# Allegro board Mic_Array_main_250pcs_release.brd
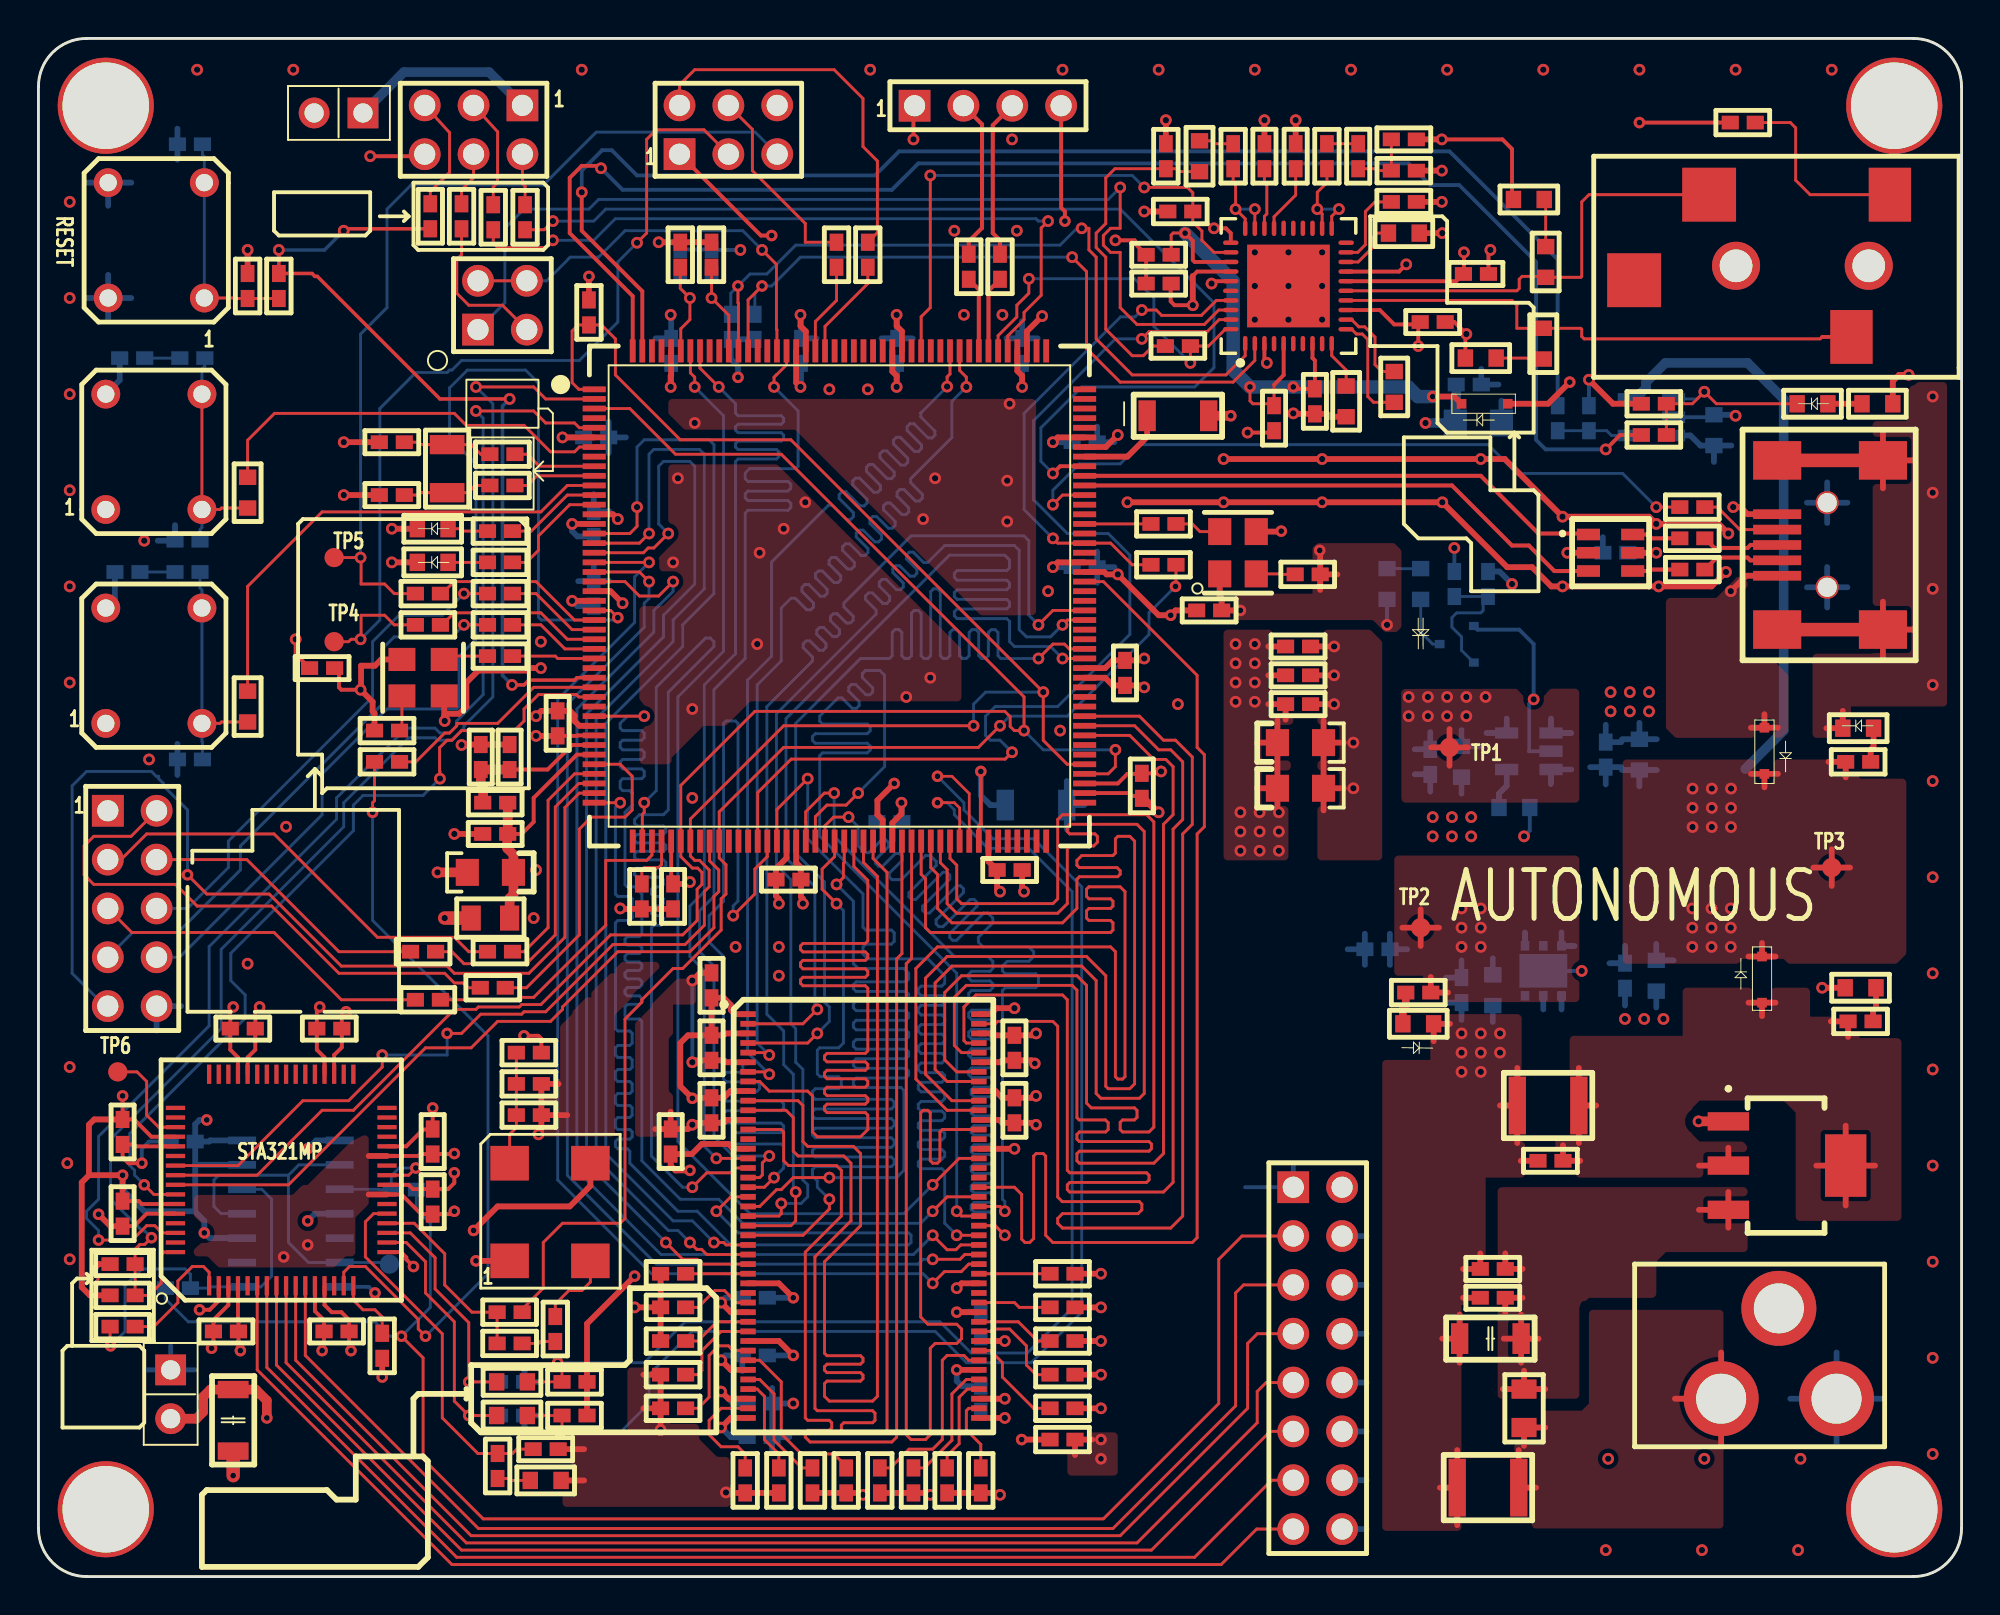
[diagram p0: board, top side]
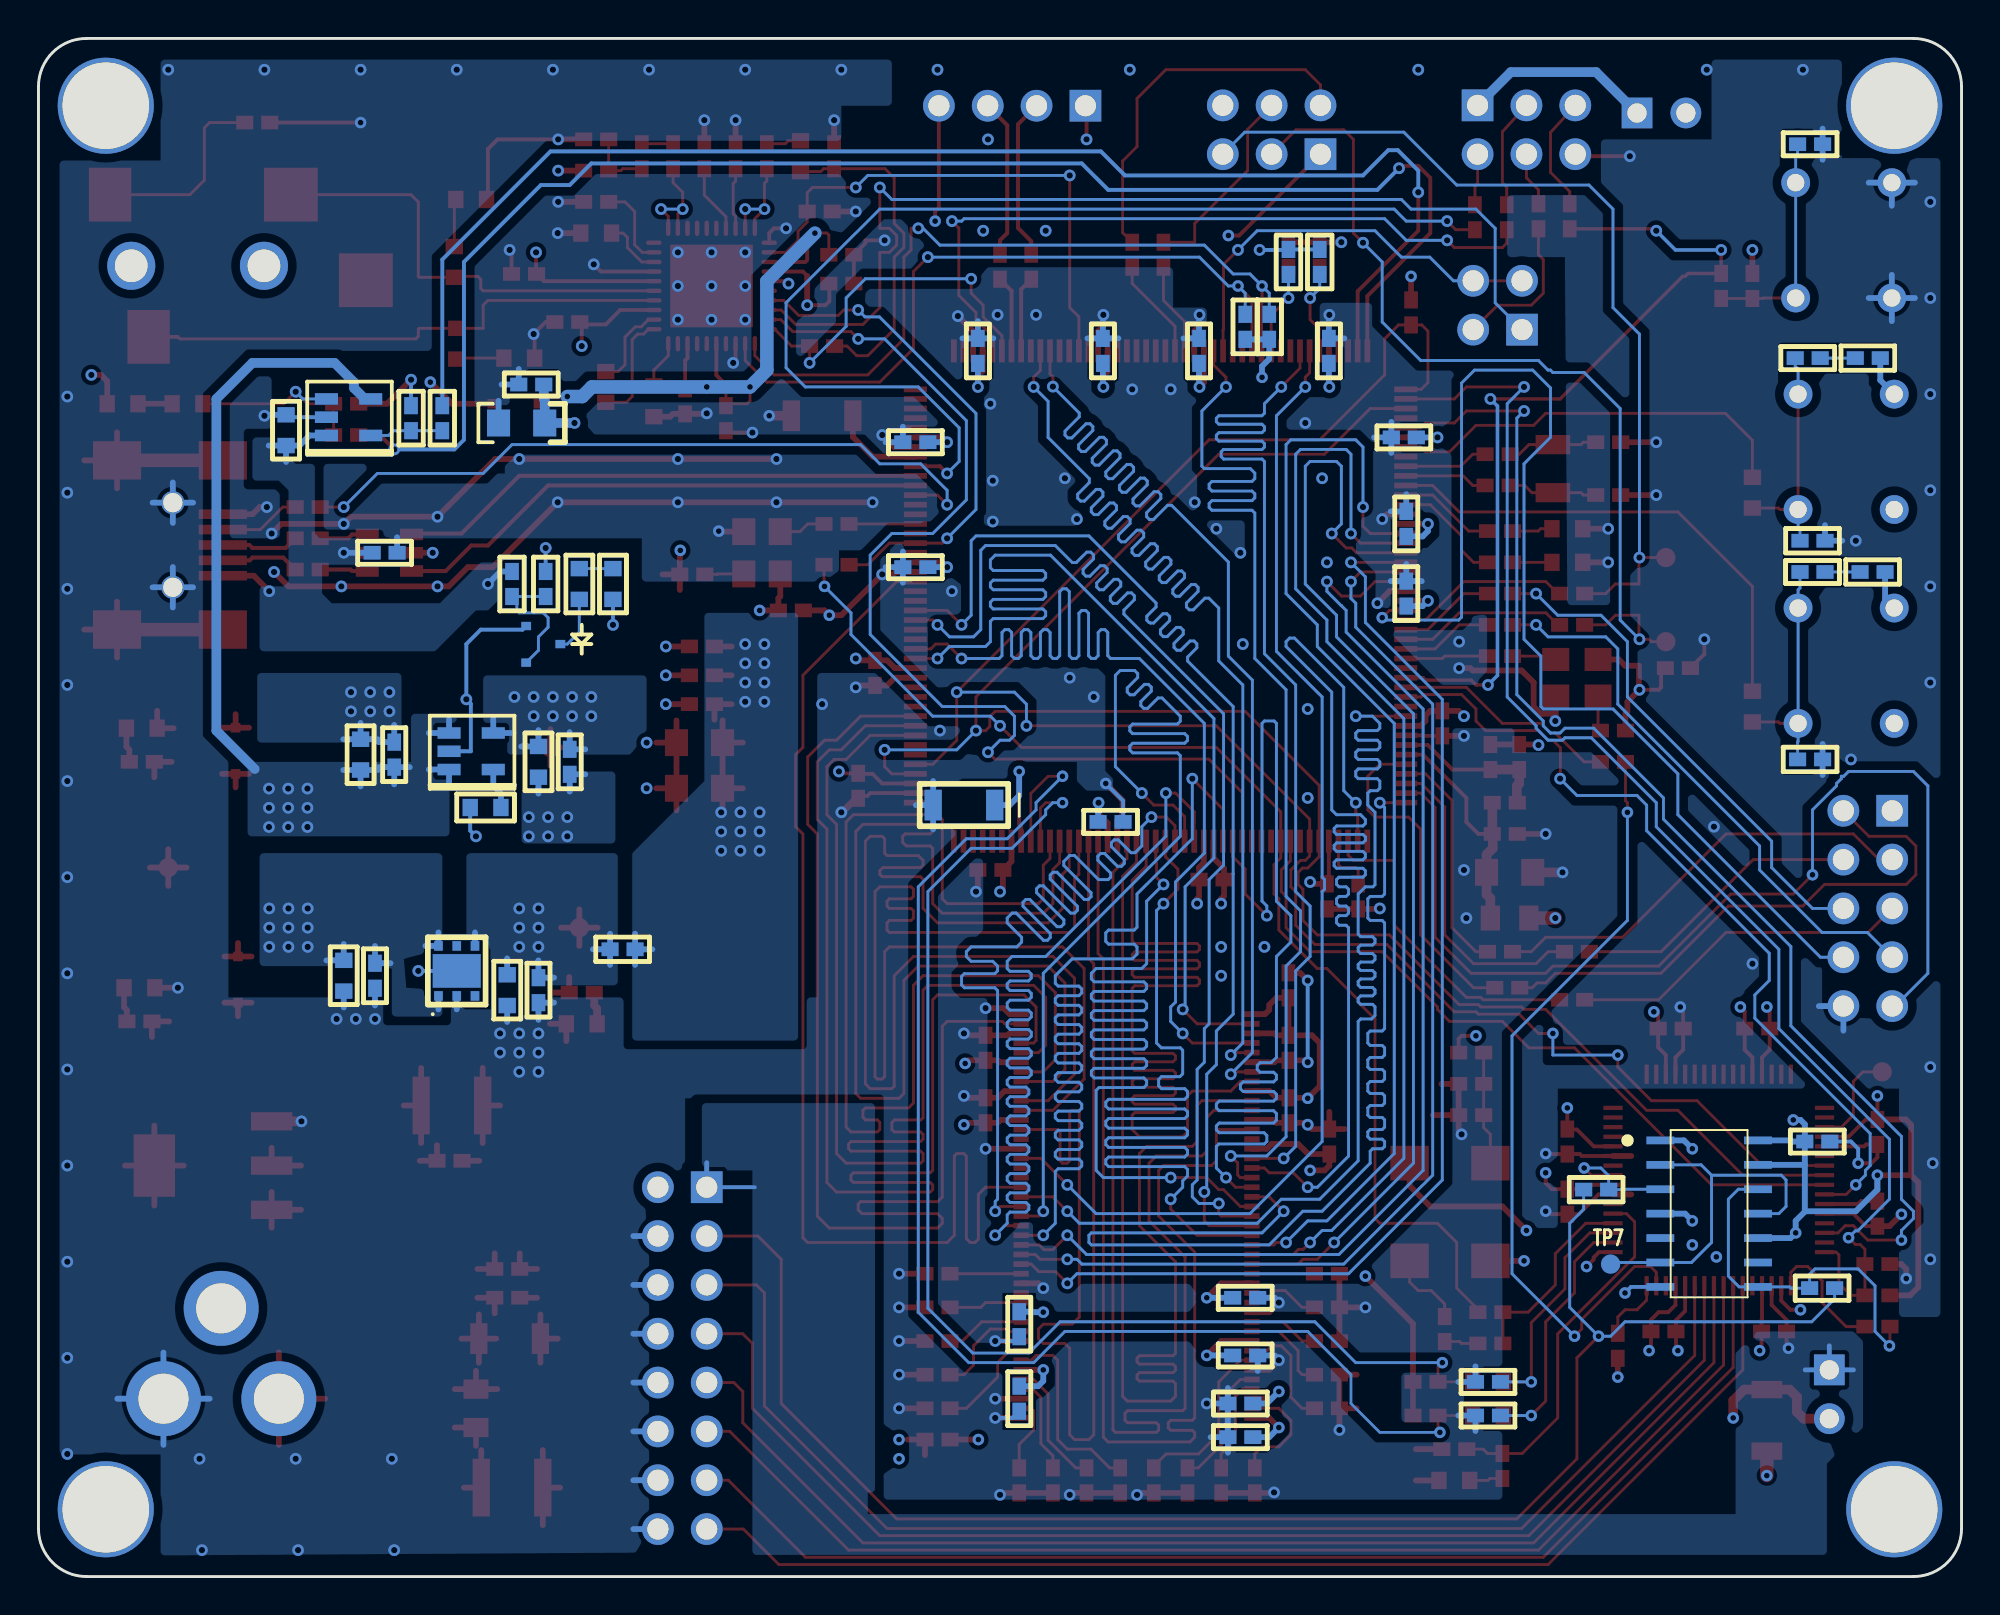
[diagram p1: board, bottom side, seen from below]

Outline 100 x 80 mm; copper layers: TOP, INT_LAYER2, INT_LAYER3, BOTTOM. Coordinates in mm from the lower left corner of the outline.

## Design rules (mm)
net group PWR_SIGNAL: nets VDDA VREF
net group SDRAM_ADDRESS: nets FMC_A10 FMC_SDCLK
net group UART_DIFF: nets UART4_RX UART4_TX
net group USB_DIFF: nets USB_FS1_N USB_FS1_P
net group USB_OTG_FS: nets USB_OTG_FS_DM USB_OTG_FS_DP
net group SDRAM_DATA: nets FMC_D0 FMC_D1 FMC_D2 FMC_D3 FMC_D4 FMC_D5 FMC_D6 FMC_D7 FMC_D8 FMC_D9 FMC_D10 FMC_D11 FMC_D12 FMC_D13 FMC_D14 FMC_D15
nets with their own width: min track width 0.14; nets OSC25M OSC32_IN OSC32_OUT
nets with their own width: min track width 0.18; nets NRST
nets with their own width: nets OTG_FS_OVERCURRENT OTG_FS_POWERSWITCHON

## Placement (name value [footprint] x y rotation side)
C1  100nF_0402  [CAP_SMD_0402]  7.75 52.25 0 bottom
C2  10pF_0603  [CAP_SMD_0402]  24.62 10.12 0 bottom
C3  10pF_0603  [CAP_SMD_0402]  24.62 8.38 180 bottom
C4  100nF_0402  [CAP_SMD_0402]  8 63.38 0 bottom
C5  100nF_0402  [CAP_SMD_0402]  7.88 74.5 180 bottom
C7  1uF_0603  [CAP_SMD_0603]  83.25 42.75 90 bottom
C8  1uF_0603  [CAP_SMD_0603]  74 42.38 270 bottom
C9  100nF_0402  [CAP_SMD_0402]  81.5 42.75 90 bottom
C10  10nF_0603  [CAP_SMD_0603]  76.75 40 0 bottom
C11  100nF_0402  [CAP_SMD_0402]  72.38 42.38 270 bottom
C12  1uF_0603  [CAP_SMD_0603]  84.12 31.25 270 bottom
C13  100nF_0402  [CAP_SMD_0402]  74 30.5 270 bottom
C14  4.7uF_0603  [CAP_SMD_0603]  87.12 59.62 90 bottom
C15  100nF_0402  [CAP_SMD_0402]  82.5 31.25 270 bottom
C16  1uF_0603  [CAP_SMD_0603]  75.62 30.5 270 bottom
C17  100nF_0402  [CAP_SMD_0402]  82 53.25 0 bottom
C18  330uF_1210  [CAP_SMD_1210]  75.38 4.62 180 top
C19  150uF_1206  [CAP_SMD_1206]  75.5 12.38 180 top
C20  0.1uF_0402  [CAP_SMD_0402]  75.62 16 180 top
C21  10uF_0402  [CAP_SMD_0402]  75.62 14.5 180 top
C22  0.1uF_0402  [CAP_SMD_0402]  78.62 21.62 180 top
C23  22uF_1210  [CAP_SMD_1210]  78.5 24.5 180 top
C24  4.7pF 0402  [CAP_SMD_0402]  18.38 59 0 top
C25  4.7pF 0402  [CAP_SMD_0402]  18.38 56.25 0 top
C26  100nF_0402  [CAP_SMD_0402]  14.75 47.25 0 top
C27  100nF_0402  [CAP_SMD_0402]  65.5 46.88 0 top
C28  100nF_0402  [CAP_SMD_0402]  65.5 48.38 0 top
C29  100nF_0402  [CAP_SMD_0402]  65.5 45.38 0 top
C30  100nF_0402  [CAP_SMD_0402]  44.25 39.25 180 bottom
C31  100nF_0402  [CAP_SMD_0402]  32.9 63.75 90 bottom
C32  100nF_0402  [CAP_SMD_0402]  39.65 63.75 90 bottom
C33  100nF_0402  [CAP_SMD_0402]  28.88 54.75 90 bottom
C34  100nF_0402  [CAP_SMD_0402]  27 44.38 270 top
C35  100nF_0402  [CAP_SMD_0402]  28.88 51.12 90 bottom
C36  100nF_0402  [CAP_SMD_0402]  29 59.25 0 bottom
C37  100nF_0402  [CAP_SMD_0402]  44.65 63.75 90 bottom
C38  100nF_0402  [CAP_SMD_0402]  39 36.25 180 top
C39  100nF_0402  [CAP_SMD_0402]  50.5 36.75 0 top
C40  100nF_0402  [CAP_SMD_0402]  51.15 63.75 90 bottom
C41  100nF_0402  [CAP_SMD_0402]  33 35.38 270 top
C42  100nF_0402  [CAP_SMD_0402]  57.38 41.12 270 top
C43  100nF_0402  [CAP_SMD_0402]  56.5 47 270 top
C44  100nF_0402  [CAP_SMD_0402]  54.4 52.5 0 bottom
C45  100nF_0402  [CAP_SMD_0402]  54.4 59 0 bottom
C46  2.2uF  [CAP_SMD_1206]  59.25 60.38 0 top
C47  2.2uF  [CAP_SMD_1206]  51.88 40.12 180 bottom
C48  4.7uF  [CAP_SMD_1206_TANTALUM]  65.62 43.38 0 top
C49  4.7uF  [CAP_SMD_1206_TANTALUM]  65.62 41 0 top
C50  1uF  [CAP_SMD_1206_TANTALUM]  23.5 36.62 180 top
C51  100nF_0402  [CAP_SMD_0402]  23.75 38.62 0 top
C52  100nF_0402  [CAP_SMD_0402]  24.5 42.62 90 top
C53  100nF_0402  [CAP_SMD_0402]  23 42.62 90 top
C54  0.022uF_0603  [CAP_SMD_0603]  78.25 64.12 90 top
C55  0.022uF_0603  [CAP_SMD_0603]  78.38 68.38 270 top
C56  0.1uF_0402  [CAP_SMD_0402]  64.25 60.25 90 top
C57  0.1uF_0402  [CAP_SMD_0402]  66.38 61.12 90 top
C58  1uF_0603  [CAP_SMD_0603]  68 61.12 270 top
C59  1uF_0603  [CAP_SMD_0603]  70.5 61.88 90 top
C60  1uF_0603  [CAP_SMD_0603]  60.38 73.88 270 top
C61  10nF_ 0402  [CAP_SMD_0402]  71 74.75 180 top
C62  0.1uF_0402  [CAP_SMD_0402]  58.25 67.25 180 top
C63  0.1uF_0402  [CAP_SMD_0402]  74.75 67.75 0 top
C64  1uF_typeA  [CAP_SMD_1206_TANTALUM]  74.88 60 0 bottom
C65  0.1uF_0402  [CAP_SMD_0402]  72.5 65.25 0 top
C66  0.1uF_0402  [CAP_SMD_0402]  74.38 62 0 bottom
C67  0.1uF_0402  [CAP_SMD_0402]  68.62 73.88 270 top
C68  0.1uF_0402  [CAP_SMD_0402]  58.25 68.75 180 top
C69  100nF_0402  [CAP_SMD_0402]  35 27.5 90 top
C70  100nF_0402  [CAP_SMD_0402]  37.5 7.25 180 bottom
C71  100nF_0402  [CAP_SMD_0402]  37.5 9 180 bottom
C72  1uF_0603  [CAP_SMD_0603]  71 69.88 0 top
C73  150pF_0402  [CAP_SMD_0402]  65.38 73.88 90 top
C74  150pF_0402  [CAP_SMD_0402]  63.75 73.88 90 top
C75  1uF_0402  [CAP_SMD_0402]  71 71.5 0 top
C76  100nF_0402  [CAP_SMD_0402]  37.25 11.5 0 bottom
C77  100nF_0402  [CAP_SMD_0402]  37.25 14.5 0 bottom
C78  100nF_0402  [CAP_SMD_0402]  49 9.25 90 bottom
C79  100nF_0402  [CAP_SMD_0402]  49 13.12 90 bottom
C80  100nF_0402  [CAP_SMD_0402]  35 30.75 270 top
C81  100nF_0402  [CAP_SMD_0402]  50.75 27.5 270 top
C82  100nF_0402  [CAP_SMD_0402]  35 24.25 90 top
C83  100nF_0402  [CAP_SMD_0402]  32.88 22.62 270 top
C84  100nF_0402  [CAP_SMD_0402]  50.75 24.25 270 top
C85  100nF_0402  [CAP_SMD_0402]  9.75 12.75 0 top
C86  100nF_0402  [CAP_SMD_0402]  15.12 28.5 0 top
C87  100nF_0402  [CAP_SMD_0402]  20.5 19.5 90 top
C88  100nF_0402  [CAP_SMD_0402]  20.5 22.62 90 top
C89  1nF_0402  [CAP_SMD_0402]  4.38 16.25 180 top
C90  100nF_0402  [CAP_SMD_0402]  10.62 28.5 0 top
C91  100nF_0402  [CAP_SMD_0402]  4.38 23.12 90 top
C92  100nF_0402  [CAP_SMD_0402]  4.38 18.88 90 top
C93  100nF_0402  [CAP_SMD_0402]  15.5 12.75 0 top
C100  10uF_6.3V_1206  [CAP_SMD_1206]  10.12 8.12 270 top
C101  0.01uF_0603  [CAP_SMD_0402]  60.88 50.25 0 top
C102  100nF_0402  [CAP_SMD_0402]  7.5 22.62 0 bottom
C103  100nF_0402  [CAP_SMD_0402]  26.38 6.62 180 top
C104  1nF_0603  [CAP_SMD_0603]  26.38 5 180 top
CN1  JACK 3.5MM  [AUDIO_JACK_35]  86.88 71.88 180 top
D1  LED,red  [LED_SMD_0603]  92.25 61 0 top
D2  LED, green  [LED_SMD_0603]  71.75 28.75 180 top
D3  LED, green  [LED_SMD_0603]  94.75 30.62 0 top
D4  BAT60JFILM  [DIOD_SOD323]  89.75 41.75 90 top
D5  LED, green  [LED_SMD_0603]  71.88 51.62 90 bottom
D6  LED, green  [LED_SMD_0603]  94.62 44.12 0 top
D7  BAT60JFILM  [DIOD_SOD323]  89.62 32.25 270 top
D8  LED, green  [LED_SMD_0603]  20.5 54.5 0 top
D9  LED, green  [LED_SMD_0603]  20.5 52.75 0 top
D10  BAT60JFILM  [DIOD_SOD323]  74 61 0 top
J1  CONN_10POS  [10PINDUALMALEHEADER]  3.6 39.83 270 top
J2  HEADER 6  [6PINDUALMALEHEADER]  25.16 76.52 180 top
J3  CONN_4POS  [4PINFEMALEHEADER]  45.56 76.5 0 top
J5  HEADER 6  [6PINDUALMALEHEADER]  33.34 73.98 0 top
J6  IDC_16_2.54mm  [16PINDUALMALEHEADER]  65.25 20.25 270 top
JP1  JUMPER  [J1_2_254]  6.88 10.75 270 top
JP2  JUMPER2  [4PINDUALMALEHEADER]  22.86 64.86 0 top
JP3  JUMPER_2  [J1_2_254]  16.88 76.12 180 top
L1  1uH  [IN_SMD_0805_2]  77.25 8.75 90 top
L2  FCM1608KF-601T03  [IN_SMD_0805_2]  23.5 34.25 0 top
NOREF  -  []  1 66.55 0 top
NOREF#2  -  [unnamed#2]  0 0 0 top
NOREF#3  -  []  54.65 38 90 top
NOREF#4  -  []  85.28 0 90 top
Q1  9013-SOT23  [SOT23]  73.75 48.5 180 bottom
R1  22_0402  [RES_SMD_0402]  25.3 70.7 270 top
R2  22_0402  [RES_SMD_0402]  23.65 70.7 270 top
R3  100_0402  [RES_SMD_0402]  4.62 52.25 180 bottom
R4  22_0402  [RES_SMD_0402]  22 70.75 270 top
R5  22_0402  [RES_SMD_0402]  20.38 70.75 270 top
R7  330_0603  [RES_SMD_0603]  10.88 45.25 270 top
R8  100_0402  [RES_SMD_0402]  50 68.12 90 top
R9  220K_0402  [RES_SMD_0402]  7.88 42.5 180 bottom
R10  100_0402  [RES_SMD_0402]  48.38 68.12 90 top
R11  100_0402  [RES_SMD_0402]  4.88 63.38 180 bottom
R12  100_0603  [RES_SMD_0603]  24.62 10.12 180 top
R13  100_0603  [RES_SMD_0603]  24.62 8.38 0 top
R14  100K_0402  [RES_SMD_0402]  10.88 67.12 270 top
R16  0_0402  [RES_SMD_0402]  12.5 67.12 270 top
R18  330_0603  [RES_SMD_0603]  10.88 56.38 270 top
R19  220K_0402  [RES_SMD_0402]  7.75 53.88 180 bottom
R20  620_0603  [RES_SMD_0603]  95.62 61 180 top
R21  47K_0402  [RES_SMD_0402]  84 61 0 top
R22  10K_0402  [RES_SMD_0402]  80.62 60.25 270 bottom
R23  0_0402  [RES_SMD_0402]  84 59.38 180 top
R24  1K_0402  [RES_SMD_0402]  71.75 30.38 0 top
R25  0_0402  [RES_SMD_0402]  79 60.25 270 bottom
R26  22_0402  [RES_SMD_0402]  86 52.38 180 top
R27  22_0402  [RES_SMD_0402]  86 54 180 top
R28  0_0402  [RES_SMD_0402]  86 55.62 180 top
R29  1K_0402  [RES_SMD_0402]  94.75 28.88 180 top
R30  47K_0402  [RES_SMD_0402]  75.38 51.62 270 bottom
R31  330 _0603  [RES_SMD_0603]  70.12 51.62 90 bottom
R32  1K_0402  [RES_SMD_0402]  94.62 42.38 180 top
R33  100K_0402  [RES_SMD_0402]  73.62 51.62 270 bottom
R34  0  [RES_SMD_0402]  24.12 58.38 0 top
R35  0  [RES_SMD_0402]  24.12 56.75 0 top
R36  10K_0402  [RES_SMD_0402]  18.12 44 0 top
R37  0  [RES_SMD_0402]  23.62 30.62 0 top
R40  0  [RES_SMD_0402]  24 32.5 0 top
R41  0  [RES_SMD_0402]  20 32.5 0 top
R43  0  [RES_SMD_0402]  20.25 30 0 top
R44  100  [RES_SMD_0402]  43.12 68.75 90 top
R46  100  [RES_SMD_0402]  41.5 68.75 90 top
R49  100_0402  [RES_SMD_0402]  24 47.88 0 top
R52  10K_ 0402  [RES_SMD_0402]  35 68.75 90 top
R53  N.A  [RES_SMD_0402]  35 68.38 90 bottom
R54  100_0402  [RES_SMD_0402]  20.25 51.12 180 top
R55  10K_0402  [RES_SMD_0402]  31.38 35.38 270 top
R56  100_0402  [RES_SMD_0402]  20.25 49.5 180 top
R57  NA  [RES_SMD_0402]  33.38 68.75 90 top
R59  10K_0402  [RES_SMD_0402]  33.38 68.38 90 bottom
R61  0  [RES_SMD_0402]  24 51.12 180 top
R63  0  [RES_SMD_0402]  24 49.5 180 top
R64  1K  [RES_SMD_0402]  24 54.38 0 top
R65  1K  [RES_SMD_0402]  24 52.75 0 top
R66  0  [RES_SMD_0402]  69.62 32.62 0 bottom
R67  0  [RES_SMD_0402]  23.75 40.25 0 top
R68  100K_0402  [RES_SMD_0402]  53.25 14 180 top
R69  10K_0402  [RES_SMD_0402]  53.25 12.25 180 top
R70  10K_0402  [RES_SMD_0402]  53.25 10.5 180 top
R71  10K_0402  [RES_SMD_0402]  53.25 8.75 180 top
R72  10K_0402  [RES_SMD_0402]  43.75 5 90 top
R73  10K_0402  [RES_SMD_0402]  45.5 5 90 top
R74  10K_0402  [RES_SMD_0402]  47.25 5 90 top
R75  51_0603  [RES_SMD_0603]  75 63.38 0 top
R76  51_0603  [RES_SMD_0603]  77.5 71.62 0 top
R77  10K_0402  [RES_SMD_0402]  49 5 90 top
R78  10K_0402  [RES_SMD_0402]  36.75 5 90 top
R79  10K_0402  [RES_SMD_0402]  38.5 5 90 top
R80  10K_0402  [RES_SMD_0402]  40.25 5 90 top
R81  10K_0402  [RES_SMD_0402]  42 5 90 top
R82  10K_0402  [RES_SMD_0402]  33 8.75 0 top
R83  10K_0402  [RES_SMD_0402]  33 10.5 0 top
R84  0_0402  [RES_SMD_0402]  88.62 75.62 0 top
R85  10K_0402  [RES_SMD_0402]  33 12.25 0 top
R86  10K_0402  [RES_SMD_0402]  33 14 0 top
R87  10K_0402  [RES_SMD_0402]  59.38 71 0 top
R88  100_0402  [RES_SMD_0402]  62.12 73.88 90 top
R89  0_0402  [RES_SMD_0402]  59.25 64 0 top
R90  100K_0402  [RES_SMD_0402]  53.25 15.75 0 top
R91  100K_0402  [RES_SMD_0402]  33 15.75 180 top
R92  100K_0402  [RES_SMD_0402]  58.62 73.88 90 top
R93  100K_0402  [RES_SMD_0402]  71 73.12 0 top
R94  100K_0402  [RES_SMD_0402]  67 73.88 90 top
R95  N.A 0  [RES_SMD_0402]  58.5 52.62 0 top
R96  10K_0402  [RES_SMD_0402]  4.38 14.62 0 top
R97  2K7_0402  [RES_SMD_0402]  37.25 65 270 bottom
R98  2K7_0402  [RES_SMD_0402]  36 65 270 bottom
R99  10K_0402  [RES_SMD_0402]  25.5 24 180 top
R100  100_0402  [RES_SMD_0402]  26.88 12.88 270 top
R101  0R0_0402(N.A)  [RES_SMD_0402]  25.5 27.25 0 top
R102  0R0_0402  [RES_SMD_0402]  25.5 25.62 0 top
R103  0R0_0402(NA)  [RES_SMD_0402]  24.5 12.12 0 top
R104  0R0_0402  [RES_SMD_0402]  24.5 13.75 0 top
R105  0R0_0402(NA)  [RES_SMD_0402]  4.38 13 180 top
R106  0R0_0402(NA)  [RES_SMD_0402]  7.25 15 180 bottom
R107  0R0_0402  [RES_SMD_0402]  19 20.12 0 bottom
R110  0_0603  [RES_SMD_0402]  53.25 7.12 0 top
R111  10K_0402  [RES_SMD_0402]  66 52.12 180 top
R112  3K3_0402  [RES_SMD_0402]  23.88 5.75 90 top
R114  0R0_0402  [RES_SMD_0402]  17.88 12 90 top
R115  100_0402  [RES_SMD_0402]  58.5 54.75 180 top
R116  2K7_0402  [RES_SMD_0402]  27.88 10.12 0 top
R117  2K7_0402  [RES_SMD_0402]  27.88 8.38 0 top
R118  0  [RES_SMD_0402]  18.12 42.38 180 top
R119  10k_0402(NA)  [RES_SMD_0402]  28.62 65.75 270 top
SW1  SW-BLACK  [PUSHBUTTON_4_09]  6 47.38 90 top
SW2  SW-BLACK  [PUSHBUTTON_4_09]  6 58.5 90 top
SW3  SW-BLACK  [PUSHBUTTON_4_09]  6.12 69.5 270 top
TP1  TEST POINT  [TEST_PAD1]  73.38 43.12 0 top
TP2  TEST POINT  [TEST_PAD1]  71.88 33.75 0 top
TP3  TEST POINT  [TEST_PAD1]  93.25 36.88 0 top
TP4  TEST POINT  [TEST_PAD1]  15.38 48.62 0 top
TP5  TEST POINT  [TEST_PAD1]  15.38 53 0 top
TP6  TEST POINT  [TEST_PAD1]  4.12 26.25 0 top
TP7  TEST POINT  [TEST_PAD1]  18.25 16.25 180 bottom
U1  LD3985M25R  [SOT235L]  77.5 42.88 90 bottom
U2  LD39050PU33R  [DFN6_6_3X3]  78.25 31.5 180 bottom
U4  Mini USB Type B  [MINI_USB]  93.01 53.65 90 top
U5  USBLC6-2  [SOT23_6L]  81.75 53.25 270 top
U6  PJ-202A  [DC-JACK]  87.5 9.25 270 top
U7  LT1117IST-5PBF  [SOT_223]  90.88 21.38 270 top
U8  STM32F746IGT6  [LQFP_176_24X24]  41.65 51 0 top
U9  CS43L22  [QFN_40_6X6]  65 67.12 90 top
U10  MT48LC4M32B2  [TSOPII_86_22X12]  42.9 18.75 0 top
U11  STMPS2141STR  [SOT235L]  83.88 60.25 90 bottom
U12  STA321MPL  [STA321]  8.88 15.62 0 top
U14  -  [74VHC74]  13.12 18.88 180 bottom
X1  NX3215SA-32.768K  [XTAL_32MHZ]  21.25 57.62 90 top
X2  OSC MEMS 25Mhz CMOS SMD  [OSC14REC12]  20 46.75 0 top
X3  OSC 12.2888MHZ  [OSC14REC12]  62.38 53.25 90 top
X4  OSC 12.2888MHZ  [OSC112896]  24.5 21.5 270 top

## Library data of the parts
C1-C5 C7-C17 C20-C47 C51-C53 C85-C93 C101-C104 = CAPACITOR NON-POL
C18 C19 = C
C48-C50 C64 C100 = CAPACITOR POL_0
C54-C63 C65-C84 = CAP NP
CN1 = ST-225-02_3
D1-D3 D5 D6 D8 D9 = LED
D4 D7 D10 = DIODE
J1 = HEADER 5X2
J2 J5 = HEADER 6_0
J3 = 4 HEADER
J6 = CON16A
JP1 JP3 = JUMPER_2
JP2 = JUMPER2
L1 = INDUCTOR
L2 = L
Q1 = PN2222
R1-R5 R7-R11 R14 R16 R18-R37 R40 R41 R43 R44 R46 R49 R53-R57 R59 R61 R63-R74 R77-R83 R85 R86 R90 R91 R95 R97 R98 R110 R111 R115-R119 = R2
R12 R13 R75 R76 R84 R87-R89 R92-R94 R96 R99-R107 R112 R114 = R
R52 = R2_0
SW1 = SW PUSHBUTTON-SPST-2/SM_1
SW2 = SW PUSHBUTTON-SPST-2/SM_2
SW3 = SW PUSHBUTTON-SPST-2/SM_0
TP1-TP7 = TEST POINT
U1 = LD3985M33R_2
U2 = LD39050PU33R_1
U4 = USB_7
U5 = USBLC6-2_4
U6 = DC JACK: User Part Number: ***
U7 = LT1117IST-5PBF_1
U8 = STM32F746xxx_15
U9 = 40L QFN_2
U10 = SDRAM-MT48LC4M32B2_0
U11 = STMPS2141STR_2
U12 = STA321MPL_0
U14 = 7474_0
X1 = QZS32768
X2 X3 = OSC4/SM_2
X4 = XTAL_0

## Footprints (pads in the part's own frame, mm; a bottom-side part is the same pattern mirrored in y, then rotated)
4PINDUALMALEHEADER
  rect 1.65x1.65 hole 1.1: 1(0,0)
  round 1.65 hole 1.1: 2(0,2.54) 3(2.54,0) 4(2.54,2.54)
4PINFEMALEHEADER
  rect 1.65x1.65 hole 1.1: 1(0,0)
  round 1.65 hole 1.1: 2(2.54,0) 3(5.08,0) 4(7.62,0)
6PINDUALMALEHEADER
  rect 1.65x1.65 hole 1.1: 1(0,0)
  round 1.65 hole 1.1: 2(0,2.54) 3(2.54,0) 4(2.54,2.54) 5(5.08,0) 6(5.08,2.54)
10PINDUALMALEHEADER
  rect 1.65x1.65 hole 1.1: 1(0,0)
  round 1.65 hole 1.1: 2(0,2.54) 3(2.54,0) 4(2.54,2.54) 5(5.08,0) 6(5.08,2.54) 7(7.62,0) 8(7.62,2.54) 9(10.16,0) 10(10.16,2.54)
16PINDUALMALEHEADER
  rect 1.65x1.65 hole 1.1: 1(0,0)
  round 1.65 hole 1.1: 2(0,2.54) 3(2.54,0) 4(2.54,2.54) 5(5.08,0) 6(5.08,2.54) 7(7.62,0) 8(7.62,2.54) 9(10.16,0) 10(10.16,2.54) 11(12.7,0) 12(12.7,2.54) 13(15.24,0) 14(15.24,2.54) 15(17.78,0) 16(17.78,2.54)
74VHC74
  rect 1.45x0.4 smd: 1(-2.54,3.81) 2(-2.54,2.54) 3(-2.54,1.27) 4(-2.54,0) 5(-2.54,-1.27) 6(-2.54,-2.54) 7(-2.54,-3.81) 8(2.54,-3.81) 9(2.54,-2.54) 10(2.54,-1.27) 11(2.54,0) 12(2.54,1.27) 13(2.54,2.54) 14(2.54,3.81)
AUDIO_JACK_35
  round 2.5 hole 1.7 unplated: (-8.3,3.7) (-1.4,3.7)
  rect 2.2x2.8 smd: 1(-9.4,0) 3(-7.4,7.4)
  rect 2.8x2.8 smd: 2(0,0) 4(3.9,4.45)
CAP_SMD_0402
  rect 0.889x0.711 smd: 1(-0.65,0) 2(0.65,0)
CAP_SMD_0603
  rect 0.8x0.9 smd: 1(-0.8,0) 2(0.8,0)
CAP_SMD_1206
  rect 0.9x1.6 smd: 1(-1.6,0) 2(1.6,0)
CAP_SMD_1206_TANTALUM
  rect 1.2x1.4 smd: 1(-1.2,0) 2(1.2,0)
CAP_SMD_1210
  rect 0.9x3 smd: 1(-1.6,0) 2(1.6,0)
DC-JACK
  round 3.9 hole 2.6: 1(0,0) 2(0,6) 3(-4.7,3)
DFN6_6_3X3
  rect 0.45x0.5 smd: 1(-0.95,-1.3) 2(0,-1.3) 3(0.95,-1.3) 4(0.95,1.3) 5(0,1.3) 6(-0.95,1.3)
  rect 2.5x1.75 smd: 7(0,0)
DIOD_SOD323
  rect 0.5x0.5 smd: 1(0,0) 2(2.4,0)
IN_SMD_0805_2
  rect 1x1.3 smd: 1(-1,0) 2(1,0)
J1_2_254
  rect 1.6x1.6 hole 1: 1(0,0)
  round 1.6 hole 1: 2(2.54,0)
LED_SMD_0603
  rect 0.8x0.9 smd: 1(-0.8,0) 2(0.8,0)
LQFP_176_24X24
  rect 1.2x0.3 smd: 1(-12.75,10.75) 2(-12.75,10.25) 3(-12.75,9.75) 4(-12.75,9.25) 5(-12.75,8.75) 6(-12.75,8.25) 7(-12.75,7.75) 8(-12.75,7.25) 9(-12.75,6.75) 10(-12.75,6.25) 11(-12.75,5.75) 12(-12.75,5.25) 13(-12.75,4.75) 14(-12.75,4.25) 15(-12.75,3.75) 16(-12.75,3.25) 17(-12.75,2.75) 18(-12.75,2.25) 19(-12.75,1.75) 20(-12.75,1.25) 21(-12.75,0.75) 22(-12.75,0.25) 23(-12.75,-0.25) 24(-12.75,-0.75) 25(-12.75,-1.25) 26(-12.75,-1.75) 27(-12.75,-2.25) 28(-12.75,-2.75) 29(-12.75,-3.25) 30(-12.75,-3.75) 31(-12.75,-4.25) 32(-12.75,-4.75) 33(-12.75,-5.25) 34(-12.75,-5.75) 35(-12.75,-6.25) 36(-12.75,-6.75) 37(-12.75,-7.25) 38(-12.75,-7.75) 39(-12.75,-8.25) 40(-12.75,-8.75) 41(-12.75,-9.25) 42(-12.75,-9.75) 43(-12.75,-10.25) 44(-12.75,-10.75) 89(12.75,-10.75) 90(12.75,-10.25) 91(12.75,-9.75) 92(12.75,-9.25) 93(12.75,-8.75) 94(12.75,-8.25) 95(12.75,-7.75) 96(12.75,-7.25) 97(12.75,-6.75) 98(12.75,-6.25) 99(12.75,-5.75) 100(12.75,-5.25) 101(12.75,-4.75) 102(12.75,-4.25) 103(12.75,-3.75) 104(12.75,-3.25) 105(12.75,-2.75) 106(12.75,-2.25) 107(12.75,-1.75) 108(12.75,-1.25) 109(12.75,-0.75) 110(12.75,-0.25) 111(12.75,0.25) 112(12.75,0.75) 113(12.75,1.25) 114(12.75,1.75) 115(12.75,2.25) 116(12.75,2.75) 117(12.75,3.25) 118(12.75,3.75) 119(12.75,4.25) 120(12.75,4.75) 121(12.75,5.25) 122(12.75,5.75) 123(12.75,6.25) 124(12.75,6.75) 125(12.75,7.25) 126(12.75,7.75) 127(12.75,8.25) 128(12.75,8.75) 129(12.75,9.25) 130(12.75,9.75) 131(12.75,10.25) 132(12.75,10.75)
  rect 0.3x1.2 smd: 45(-10.75,-12.75) 46(-10.25,-12.75) 47(-9.75,-12.75) 48(-9.25,-12.75) 49(-8.75,-12.75) 50(-8.25,-12.75) 51(-7.75,-12.75) 52(-7.25,-12.75) 53(-6.75,-12.75) 54(-6.25,-12.75) 55(-5.75,-12.75) 56(-5.25,-12.75) 57(-4.75,-12.75) 58(-4.25,-12.75) 59(-3.75,-12.75) 60(-3.25,-12.75) 61(-2.75,-12.75) 62(-2.25,-12.75) 63(-1.75,-12.75) 64(-1.25,-12.75) 65(-0.75,-12.75) 66(-0.25,-12.75) 67(0.25,-12.75) 68(0.75,-12.75) 69(1.25,-12.75) 70(1.75,-12.75) 71(2.25,-12.75) 72(2.75,-12.75) 73(3.25,-12.75) 74(3.75,-12.75) 75(4.25,-12.75) 76(4.75,-12.75) 77(5.25,-12.75) 78(5.75,-12.75) 79(6.25,-12.75) 80(6.75,-12.75) 81(7.25,-12.75) 82(7.75,-12.75) 83(8.25,-12.75) 84(8.75,-12.75) 85(9.25,-12.75) 86(9.75,-12.75) 87(10.25,-12.75) 88(10.75,-12.75) 133(10.75,12.75) 134(10.25,12.75) 135(9.75,12.75) 136(9.25,12.75) 137(8.75,12.75) 138(8.25,12.75) 139(7.75,12.75) 140(7.25,12.75) 141(6.75,12.75) 142(6.25,12.75) 143(5.75,12.75) 144(5.25,12.75) 145(4.75,12.75) 146(4.25,12.75) 147(3.75,12.75) 148(3.25,12.75) 149(2.75,12.75) 150(2.25,12.75) 151(1.75,12.75) 152(1.25,12.75) 153(0.75,12.75) 154(0.25,12.75) 155(-0.25,12.75) 156(-0.75,12.75) 157(-1.25,12.75) 158(-1.75,12.75) 159(-2.25,12.75) 160(-2.75,12.75) 161(-3.25,12.75) 162(-3.75,12.75) 163(-4.25,12.75) 164(-4.75,12.75) 165(-5.25,12.75) 166(-5.75,12.75) 167(-6.25,12.75) 168(-6.75,12.75) 169(-7.25,12.75) 170(-7.75,12.75) 171(-8.25,12.75) 172(-8.75,12.75) 173(-9.25,12.75) 174(-9.75,12.75) 175(-10.25,12.75) 176(-10.75,12.75)
MINI_USB
  rect 0.5x2.5 smd: 1(-1.6,2.6) 2(-0.8,2.6) 3(0,2.6) 4(0.8,2.6) 5(1.6,2.6)
  rect 2x2.5 smd: 6(4.4,2.6) 7(-4.4,2.6) 8(-4.4,-2.9) 9(4.4,-2.9)
  round 1.2 hole 1: 10(2.2,0) 11(-2.2,0)
OSC14REC12
  rect 1.4x1.2 smd: 1(-1.1,-0.95) 2(1.1,-0.95) 3(1.1,0.95) 4(-1.1,0.95)